# Altium PCB AMP.PcbDoc (part 4 of 5)
Units mil, origin at the board's own origin, x right, y up, seen from the top; angles counter-clockwise.
Board outline 6850 x 4750 mil, 6 copper layers (Top Layer, InternalPlane1, MidLayer1, InternalPlane2, InternalPlane3, Bottom Layer); 484 components, 340 nets, 1840 pads, 888 vias.
Unrouted connection lines stored in the file: 22.
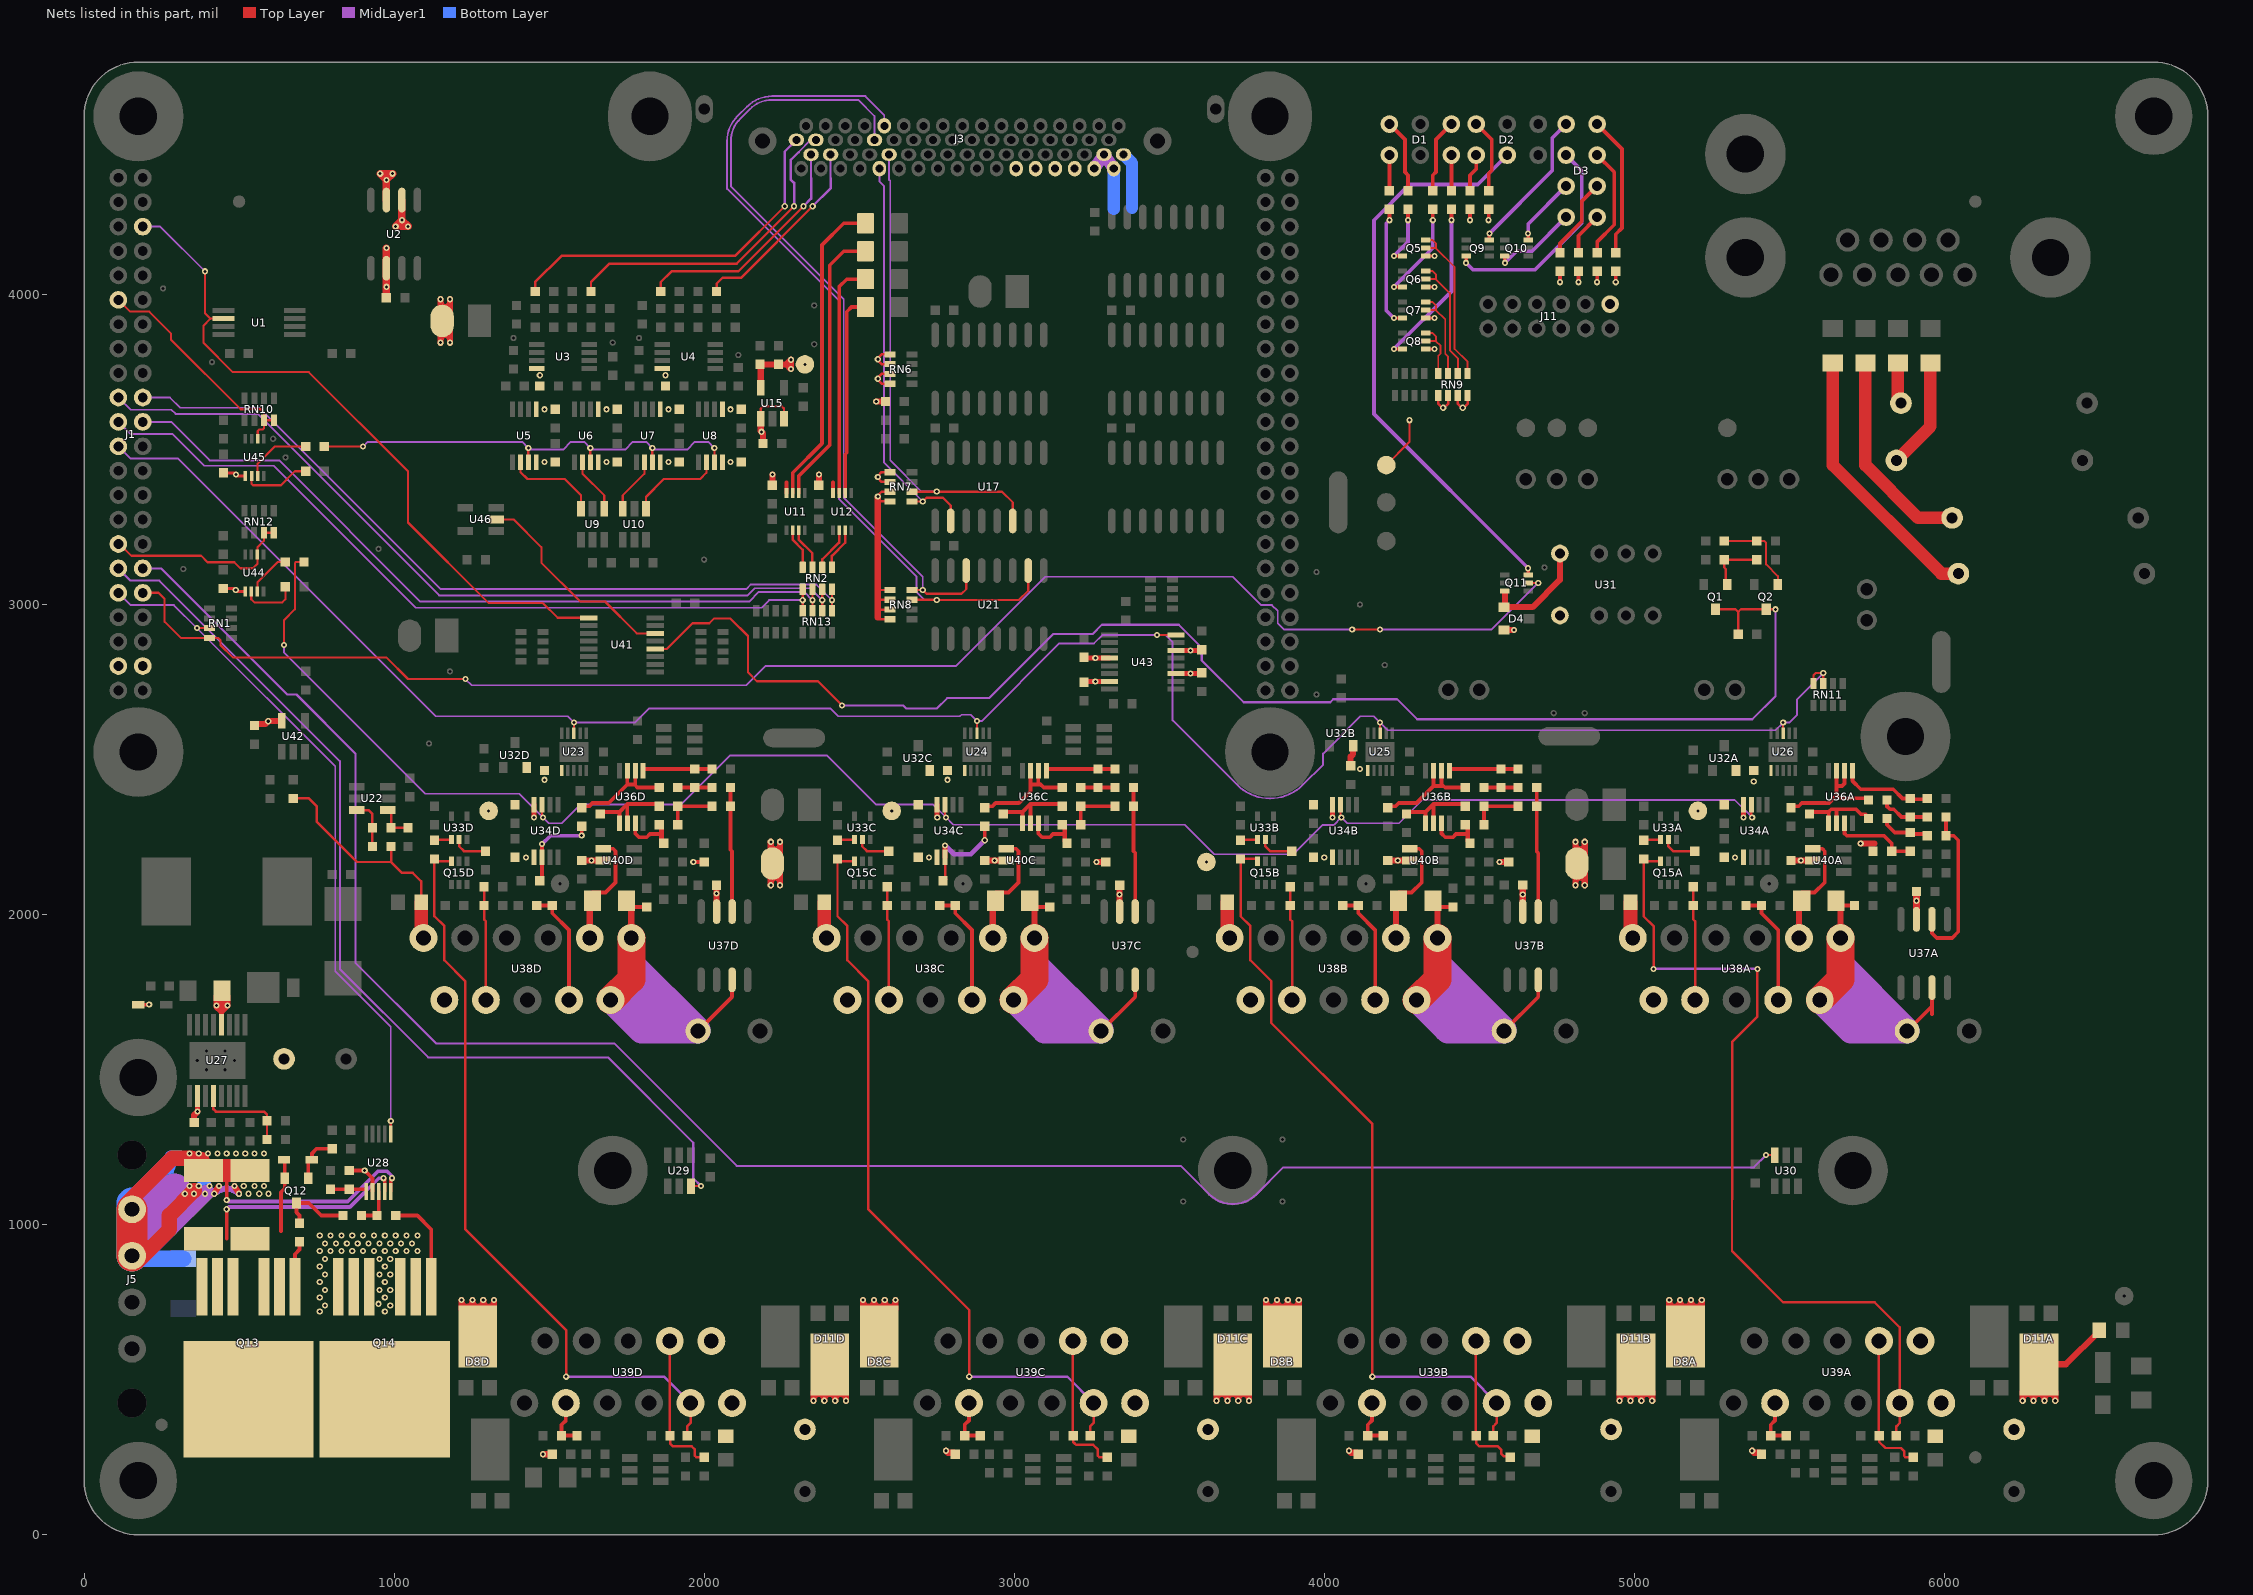
[diagram p8: the nets of this part, all layers, seen from the top]

## Via types
v1: diameter 20, hole 10, Top Layer to Bottom Layer, tented both sides, 888 vias

## Nets (pads, with @x,y where several pads share a name; then routed paths per layer and width w, separated by ;. In a path a pad name is that pad's centre, name@x,y a point inside that pad or via, vN(x,y) a via of type N, cw(c..) or ccw(c..) an arc to the next point about the centre after c; other vN are vias at no path point) (continued)
NetC66C_1: C66C.1 R56C.2 U34C.2 | length 314.4
  Top Layer w8: C66C.1@2775,2115 C66C.1@2780,2115 ; C66C.1@2777.2,2117.2 U34C.2@2777.2,2185
  Top Layer w12: v1(2905,2240) R56C.2@2905,2285
  Top Layer w16: U34C.2@2777.2,2185 v1(2777.2,2223.39)
  MidLayer1 w16: v1(2777.2,2223.39) 2805.59,2195 2860,2195 v1(2905,2240)
NetC66D_1: C66D.1 R56D.2 U34D.2 | length 279.7
  Top Layer w12: C66D.1@1477.2,2117.2 U34D.2@1477.2,2185 v1(1477.2,2227.8) ; v1(1605,2255) R56D.2@1605,2285
  MidLayer1 w12: v1(1477.2,2227.8) 1504.41,2255 v1(1605,2255)
NetC68A_1: C68A.1 Q15A.6 R40A.1 U39A.9 | length 2690.5
  Top Layer w8: v1(5062,1825) 5062,1963 5030,1995 5030,2172.5 Q15A.6@5084.41,2172.5 ; v1(5397,1825) 5397,1672 5315.09,1590.09 5315.09,1245 5315,915 5480,750 5775,750 5856,669 U39A.9@5856,425 5856,361 5845,350 C68A.1@5845,320
  MidLayer1 w8: v1(5062,1825) v1(5397,1825)
NetC68B_1: C68B.1 Q15B.6 R40B.1 U39B.9 | length 2469.5
  Top Layer w8: Q15B.6@3784.41,2172.5 3784.41,2176 3780.41,2180 R40B.1@3730,2180 ; v1(4155,510) 4155,1325 3829,1651 3829,1786 3762,1853 3762,1963 3730,1995 R40B.1@3730,2172.5 ; C68B.1@4545,320 4545,350 4556,361 U39B.9@4556,425 ; R40B.1@3730,2172.5 3737.5,2172.5 R40B.1@3730,2180 ; R40B.1@3730,2172.5 R40B.1@3730,2180
  MidLayer1 w8: v1(4155,510) 4471,510 U39B.9@4556,425
NetC68C_1: C68C.1 Q15C.6 R40C.1 U39C.9 | length 2449.3
  Top Layer w8: R40C.1@2430,2180 R40C.1@2437.5,2172.5 ; Q15C.6@2484.41,2172.5 R40C.1@2437.5,2172.5 ; v1(2855,510) 2855,725 2529,1051 2529,1786 2462,1853 2462,1963 2430,1995 2430,2172.5 R40C.1@2437.5,2172.5 ; C68C.1@3245,320 3245,350 3256,361 U39C.9@3256,425
  MidLayer1 w8: v1(2855,510) 3171,510 U39C.9@3256,425
NetC68D_1: C68D.1 Q15D.6 R40D.1 U39D.9 | length 2449.3
  Top Layer w8: R40D.1@1130,2180 R40D.1@1137.5,2172.5 ; Q15D.6@1184.41,2172.5 R40D.1@1137.5,2172.5 ; v1(1555,510) 1555,660 1229,986 1229,1786 1162,1853 1162,1963 1130,1995 1130,2172.5 R40D.1@1137.5,2172.5 ; C68D.1@1945,320 1945,350 1956,361 U39D.9@1956,425
  MidLayer1 w8: v1(1555,510) 1871,510 U39D.9@1956,425
NetC70A_1: C70A.1 R61A.1 U38A.8 | length 367.5
  Top Layer w8: R61A.1@5190,2090 C70A.1@5190,2030 5190,1985 5196,1979 U38A.8@5196,1725
NetC70B_1: C70B.1 R61B.1 U38B.8 | length 367.5
  Top Layer w8: R61B.1@3890,2090 C70B.1@3890,2030 3890,1985 3896,1979 U38B.8@3896,1725
NetC70C_1: C70C.1 R61C.1 U38C.8 | length 367.5
  Top Layer w8: R61C.1@2590,2090 C70C.1@2590,2030 2590,1985 2596,1979 U38C.8@2596,1725
NetC70D_1: C70D.1 R61D.1 U38D.8 | length 367.5
  Top Layer w8: R61D.1@1290,2090 C70D.1@1290,2030 1290,1985 1296,1979 U38D.8@1296,1725
NetC71A_1: C71A.1 R48A.1 U39A.8 | length 464.5
  Top Layer w8: C71A.1@5789,320 U39A.8@5789,625 ; C71A.1@5790,320 5790,300 5810,280 5860,280 5870,270 5870,255 5875,250 R48A.1@5900,250
NetC71B_1: C71B.1 R48B.1 U39B.8 | length 466.1
  Top Layer w8: C71B.1@4489,320 U39B.8@4489,625 ; C71B.1@4490,320 4490,295 4495,290 4495,289.69 4499.69,285 4560,285 4570,275 4570,262.5 4579.34,253.16 4596.84,253.16 R48B.1@4600,250
NetC71C_1: C71C.1 R48C.1 U39C.8 | length 468.6
  Top Layer w7: C71C.1@3189,320 C71C.1@3190,320
  Top Layer w8: C71C.1@3189,320 U39C.8@3189,625 ; C71C.1@3190,320 3190,299.69 3194.69,295 3195,295 3200,290 3255,290 3270,275 3270,255 3275,250 R48C.1@3300,250
NetC71D_1: C71D.1 R48D.1 U39D.8 | length 477.9
  Top Layer w8: C71D.1@1889,320 U39D.8@1889,625 ; C71D.1@1890,320 1890,295 1900,285 1960,285 1970,275 1970,255 1975,250 1975,249.69 1999.69,249.69 R48D.1@2000,250 R48D.1@2005,255
NetC72A_2: C72A.2 R54A.2 U36A.3 | length 283.3
  Top Layer w12: U36A.3@5677.8,2295 5677.8,2262.2 5685,2255 5805,2255 5830,2230 C72A.2@5830,2205 R54A.2@5890,2205
NetC72B_2: C72B.2 R54B.2 U36B.3 | length 189.8
  Top Layer w12: U36B.3@4377.8,2295 4377.8,2262.2 4390,2250 4415,2250 4425,2260 4462.5,2260
  Top Layer w15: R54B.2@4462.5,2290 4462.5,2260 4462.5,2237.5 C72B.2@4470,2230
NetC72C_2: C72C.2 R54C.2 U36C.3 | length 189.8
  Top Layer w12: U36C.3@3077.8,2295 3077.8,2262.2 3090,2250 3115,2250 3125,2260 3162.5,2260
  Top Layer w15: R54C.2@3162.5,2290 3162.5,2260 3162.5,2237.5 C72C.2@3170,2230
NetC72D_2: C72D.2 R54D.2 U36D.3 | length 189.8
  Top Layer w12: U36D.3@1777.8,2295 1777.8,2262.2 1790,2250 1815,2250 1825,2260 1862.5,2260
  Top Layer w15: R54D.2@1862.5,2290 1862.5,2260 1862.5,2237.5 C72D.2@1870,2230
NetC74A_1: C74A.1 U38A.3 U40A.4 | length 381.9
  Top Layer w7: C74A.1@5525,2055 C74A.1@5530,2050
  Top Layer w12: C74A.1@5530,2050 C74A.1@5550,2070 ; C74A.1@5540,2071.5 5581.5,2071.5 5614,2104 5614,2205 5606.5,2212.5 U40A.4@5575,2212.5
  Top Layer w20: U38A.3@5531,1925 C74A.1@5531,2041
NetC74A_2: C74A.2 R47A.2 R62A.2 U37A.3 U38A.1 U38A.2 | length 1630.1
  Top Layer w12: C74A.2@5666,2030 R47A.2@5710,2030 ; R62A.2@5880,1625 5960,1705 ; 5960,1680 U37A.3@5960,1765
  Top Layer w20: U38A.1@5665,1925 5665,2041 C74A.2@5666,2040
  Top Layer w90: U38A.2@5598,1725 5665,1792 U38A.1@5665,1925
  MidLayer1 w80: U38A.1@5665,1925 5665,1842.5 ; 5670,1745 5760,1655 ; 5698,1625 R62A.2@5880,1625 ; 5699,1726.8 5744.9,1680.9 ; 5700,1630 5693,1630 U38A.2@5598,1725 5665,1792 5665,1842.5 ; R62A.2@5875,1630 5875,1632.5 5665,1842.5
NetC74B_1: C74B.1 U38B.3 U40B.4 | length 381.9
  Top Layer w7: C74B.1@4225,2055 C74B.1@4230,2050
  Top Layer w12: C74B.1@4230,2050 C74B.1@4250,2070 ; C74B.1@4240,2071.5 4281.5,2071.5 4314,2104 4314,2205 4306.5,2212.5 U40B.4@4275,2212.5
  Top Layer w20: U38B.3@4231,1925 C74B.1@4231,2041
NetC74B_2: C74B.2 R47B.2 R62B.2 U37B.3 U38B.1 U38B.2 | length 1625.3
  Top Layer w12: U38B.1@4350,1940 U38B.1@4365,1925 ; C74B.2@4350,2045 4370,2025 R47B.2@4415,2025 ; R62B.2@4580,1625 4690,1735 U37B.3@4690,1790
  Top Layer w20: U38B.1@4365,1925 C74B.2@4365,2030
  Top Layer w90: U38B.2@4298,1725 4365,1792 U38B.1@4365,1925
  MidLayer1 w80: U38B.1@4365,1925 4365,1845 ; 4370,1745 4460,1655 ; 4398,1625 R62B.2@4580,1625 4580,1630 4365,1845 ; 4400,1630 4393,1630 U38B.2@4298,1725 4365,1792 4365,1845
NetC74C_1: C74C.1 U38C.3 U40C.4 | length 346.6
  Top Layer w12: C74C.1@2940,2071.5 2981.5,2071.5 3014,2104 3014,2205 3006.5,2212.5 U40C.4@2975,2212.5
  Top Layer w20: U38C.3@2931,1925 C74C.1@2931,2041
NetC74C_2: C74C.2 R47C.2 R62C.2 U37C.3 U38C.1 U38C.2 | length 1630
  Top Layer w7: C74C.2@3050,2030 C74C.2@3055,2025
  Top Layer w12: U38C.1@3050.08,1939.92 U38C.1@3065,1925 ; C74C.2@3055,2025 R47C.2@3115,2025 ; R62C.2@3280,1625 3390,1735 U37C.3@3390,1790
  Top Layer w20: U38C.1@3065,1925 C74C.2@3065,2041
  Top Layer w90: U38C.2@2998,1725 3065,1792 U38C.1@3065,1925
  MidLayer1 w80: U38C.1@3065,1925 3065,1845 ; 3070,1745 3160,1655 ; 3065,1845 3065,1792 U38C.2@2998,1725 3098,1625 R62C.2@3280,1625 3280,1630 3065,1845
NetC74D_1: C74D.1 U38D.3 U40D.4 | length 346.6
  Top Layer w12: C74D.1@1640,2071.5 1681.5,2071.5 1714,2104 1714,2205 1706.5,2212.5 U40D.4@1675,2212.5
  Top Layer w20: U38D.3@1631,1925 C74D.1@1631,2041
NetC74D_2: C74D.2 R47D.2 R62D.2 U37D.3 U38D.1 U38D.2 | length 1599
  Top Layer w12: C74D.2@1750,2045 1765,2030 1770,2025 R47D.2@1815,2025 ; R62D.2@1980,1625 2090,1735 U37D.3@2090,1790
  Top Layer w20: U38D.1@1765,1925 C74D.2@1765,2030
  Top Layer w90: U38D.2@1698,1725 1765,1792 U38D.1@1765,1925
  MidLayer1 w80: U38D.1@1765,1925 1765,1845 ; 1770,1745 1860,1655 ; 1798,1625 R62D.2@1980,1625 ; 1800,1630 1793,1630 U38D.2@1698,1725 1765,1792 1765,1845 ; R62D.2@1980,1630 1765,1845
NetC75A_1: C75A.1 R54A.1 R55A.2 | length 176.6
  Top Layer w12: C75A.1@5820,2310 5815,2315 5815,2290 5840,2265 R54A.1@5890,2265 5895,2260 5940,2260 R55A.2@5945,2255
NetC75A_2: C75A.2 R44A.1 U36A.1 U36A.2 | length 282
  Top Layer w12: R44A.1@5571.61,2331.61 5626.61,2331.61 ; U36A.1@5626.61,2295 5626.61,2331.61 ; U36A.2@5654.2,2297 U36A.2@5652.2,2295 5652.2,2339.2 5653,2340 ; C75A.2@5755,2315 5746,2324 5731,2324 5715,2340 5653,2340 ; 5626.61,2331.61 5635,2340 5653,2340
NetC75B_1: C75B.1 R54B.1 R55B.2 | length 170
  Top Layer w12: R54B.1@4515,2290 C75B.1@4515,2350 R55B.2@4625,2350
NetC75B_2: C75B.2 R44B.1 U36B.1 U36B.2 | length 299.4
  Top Layer w12: R44B.1@4271.61,2331.61 4326.61,2331.61 ; U36B.1@4326.61,2295 4326.61,2331.61 ; U36B.2@4352.2,2295 4352.2,2357 ; C75B.2@4452,2357 C75B.2@4448,2357 ; C75B.2@4455,2350 C75B.2@4448,2357 ; 4326.61,2331.61 4352,2357 C75B.2@4448,2357
NetC75C_1: C75C.1 R54C.1 R55C.2 | length 170
  Top Layer w12: R54C.1@3215,2290 C75C.1@3215,2350 R55C.2@3325,2350
NetC75C_2: C75C.2 R44C.1 U36C.1 U36C.2 | length 301.7
  Top Layer w12: R44C.1@2965,2325 2971.61,2331.61 3026.61,2331.61 ; U36C.1@3026.61,2295 3026.61,2331.61 ; 3052.2,2357 U36C.2@3052.2,2295 U36C.2@3053,2295.8 ; C75C.2@3148,2357 3052,2357 3026.61,2331.61 ; C75C.2@3151,2354 C75C.2@3155,2350
NetC75D_1: C75D.1 R54D.1 R55D.2 | length 170
  Top Layer w12: R54D.1@1915,2290 C75D.1@1915,2350 R55D.2@2025,2350
NetC75D_2: C75D.2 R44D.1 U36D.1 U36D.2 | length 292.6
  Top Layer w12: R44D.1@1671.61,2331.61 1726.61,2331.61 ; U36D.1@1726.61,2295 1726.61,2331.61 ; U36D.2@1752.2,2295 1752.2,2357 ; C75D.2@1848,2357 1752,2357 1726.61,2331.61 ; C75D.2@1850,2355 C75D.2@1855,2350
NetC86A_2: C86A.2 R63A.1 | length 880
  Top Layer w40: C86A.2@5640,3780 5640,3450 5990,3100 R63A.1@6045,3100
NetC86B_2: C86B.2 R63B.1 | length 680.4
  Top Layer w40: C86B.2@5745,3780 5745,3450 5915,3280 R63B.1@6025,3280
NetC86C_2: C86C.2 R63C.1 | length 151.2
  Top Layer w40: R63C.1@5850,3650 R63C.1@5850,3665 ; C86C.2@5850,3780 R63C.1@5850,3665 ; R63C.1@5865,3650 R63C.1@5850,3665
NetC86D_2: C86D.2 R63D.1 | length 360.6
  Top Layer w40: R63D.1@5845,3465 5955,3575 C86D.2@5955,3780
NetC89A_1: C89A.1 R45A.2 R46A.1 | length 165.5
  Top Layer w12: 5815,2348.99 C89A.1@5815,2370 ; 5815,2350 5825,2340 5836.49,2340 5861.49,2315 R46A.1@5890,2315 R45A.2@5945,2315
NetC89A_2: C89A.2 R56A.1 U36A.6 U36A.7 | length 414.3
  Top Layer w12: R56A.1@5510,2350 5530,2350 5540,2360 5627.5,2360 5652.2,2384.7 ; U36A.7@5652.2,2465 5652.2,2415 ; U36A.6@5677.8,2465 5677.8,2422.8 5670,2415 5652.2,2415 ; C89A.2@5755,2376.01 5660.89,2376.01 5652.2,2384.7 ; 5652.2,2384.7 5652.2,2415
NetC89B_1: C89B.1 R45B.2 R46B.1 | length 110
  Top Layer w12: C89B.1@4515,2410 R46B.1@4570,2410 R45B.2@4625,2410
NetC89B_2: C89B.2 R56B.1 U36B.6 U36B.7 | length 376.3
  Top Layer w12: R56B.1@4210,2350 4230,2350 4240,2360 4297.2,2360 4352.2,2415 ; U36B.7@4352.2,2465 4352.2,2415 ; U36B.6@4377.8,2465 4377.8,2422.2 4383.9,2416.1 ; C89B.2@4455,2410 4390,2410 4383.9,2416.1 ; 4352.2,2415 4382.8,2415 4383.9,2416.1
NetC89C_1: C89C.1 R45C.2 R46C.1 | length 110
  Top Layer w12: C89C.1@3215,2410 R46C.1@3270,2410 R45C.2@3325,2410
NetC89C_2: C89C.2 R56C.1 U36C.6 U36C.7 | length 391.5
  Top Layer w12: R56C.1@2905,2345 2910,2350 2930,2350 2940,2360 3015,2360 3052.2,2397.2 3052.2,2420 ; U36C.7@3052.2,2465 3052.2,2420 ; U36C.6@3077.8,2465 3077.8,2427.2 3085,2420 ; C89C.2@3155,2410 3095,2410 3085,2420 ; 3052.2,2420 3085,2420
NetC89D_1: C89D.1 R45D.2 R46D.1 | length 110
  Top Layer w12: C89D.1@1915,2410 R46D.1@1970,2410 R45D.2@2025,2410
NetC89D_2: C89D.2 R56D.1 U36D.6 U36D.7 | length 370.9
  Top Layer w12: R56D.1@1610,2350 1630,2350 1640,2360 1692.2,2360 1752.2,2420 ; U36D.7@1752.2,2465 1752.2,2420 ; U36D.6@1777.8,2465 1777.8,2417.2 ; C89D.2@1855,2410 1785,2410 1777.8,2417.2 ; 1752.2,2420 1775,2420 1777.8,2417.2
NetC90A_2: C90A.2 R46A.2 U36A.5 | length 297
  Top Layer w12: U36A.5@5703.39,2465 5703.39,2431.61 5730,2405 5835,2405 5865,2375 R46A.2@5890,2375 5892.5,2372.5 C90A.2@5942.5,2372.5
NetC90B_2: C90B.2 R46B.2 U36B.5 | length 225.4
  Top Layer w12: U36B.5@4403.39,2465 4403.39,2468 4405.39,2470 R46B.2@4570,2470 C90B.2@4625,2470
NetC90C_2: C90C.2 R46C.2 U36C.5 | length 225.4
  Top Layer w12: U36C.5@3103.39,2465 3103.39,2468 3105.39,2470 R46C.2@3270,2470 C90C.2@3325,2470
NetC90D_2: C90D.2 R46D.2 U36D.5 | length 216.6
  Top Layer w12: U36D.5@1808.39,2470 R46D.2@1970,2470 C90D.2@2025,2470
NetD1_1: D1.1 R15.2 | length 239.9
  Top Layer w12: R15.2@4350,4335 4350,4385 4360,4395 4360,4500 D1.1@4410,4550
NetD1_3: D1.3 R14.2 | length 239.9
  Top Layer w12: D1.3@4210,4550 4260,4500 4260,4395 4270,4385 R14.2@4270,4335
NetD1_4: D1.4 R16.2 | length 115
  Top Layer w12: R16.2@4410,4335 D1.4@4410,4450
NetD1_6: D1.6 R13.2 | length 115
  Top Layer w12: R13.2@4210,4335 D1.6@4210,4450
NetD2_3: D2.3 R18.1 | length 239.9
  Top Layer w12: D2.3@4490,4550 4540,4500 4540,4400 4530,4390 R18.1@4530,4335
NetD2_5: D2.5 Q11.6 | length 1867.5
  Top Layer w12: Q11.6@4657.5,3095.59 v1(4657.5,3117.5)
  MidLayer1 w12: D2.5@4590,4450 4495,4355 4275,4355 4160,4240 4160,3615 v1(4657.5,3117.5)
NetD2_6: D2.6 R17.1 | length 123.3
  Top Layer w12: R17.1@4470,4335 4470,4385 4490,4405 D2.6@4490,4450
NetD3_1: D3.1 Q9.6 | length 476.9
  Top Layer w12: Q9.6@4532.5,4175.59 v1(4532.5,4197.5)
  MidLayer1 w12: v1(4532.5,4197.5) 4735,4400 4735,4505 D3.1@4780,4550
NetD3_2: D3.2 R22.1 | length 456.4
  Top Layer w12: D3.2@4880,4550 4960,4470 4960,4215 4940,4195 R22.1@4940,4135
NetD3_3: D3.3 Q9.3 | length 706.6
  Top Layer w12: v1(4457.5,4102.5) Q9.3@4457.5,4124.41
  MidLayer1 w12: v1(4457.5,4102.5) 4480,4080 4680,4080 4830,4230 4830,4400 D3.3@4780,4450
NetD3_4: D3.4 R21.1 | length 360.6
  Top Layer w12: R21.1@4880,4135 4880,4170 4935,4225 4935,4395 D3.4@4880,4450
NetD3_5: D3.5 Q10.6 | length 225.2
  Top Layer w12: Q10.6@4657.5,4175.59 v1(4657.5,4197.5)
  MidLayer1 w12: v1(4657.5,4197.5) 4657.5,4227.5 D3.5@4780,4350
NetD3_6: D3.6 R19.1 | length 264.7
  Top Layer w12: R19.1@4760,4135 4760,4165 4830,4235 4830,4300 D3.6@4880,4350
NetD3_7: D3.7 Q10.3 | length 280.5
  Top Layer w12: v1(4582.5,4102.5) Q10.3@4582.5,4124.41
  MidLayer1 w12: v1(4582.5,4102.5) 4620,4140 4670,4140 D3.7@4780,4250
NetD3_8: D3.8 R20.1 | length 139.9
  Top Layer w12: R20.1@4820,4135 4820,4190 D3.8@4880,4250
NetD4_1: D4.1 Q11.3 U31.8 | length 348.9
  Top Layer w20: D4.1@4580,2992 D4.1@4582.5,2992 ; Q11.3@4582.5,3039.41 D4.1@4582.5,2992 ; U31.8@4760,3165 4760,3080 4672,2992 D4.1@4582.5,2992
NetD6_1: D6.1 Q12.1 R32.1 | length 144.2
  Top Layer w12: Q12.1@723,1150 D6.1@723,1203 ; D6.1@735,1210 735,1230 750,1245 R32.1@800,1245
NetD6_2: D6.2 Q12.2 Q13.2 Q13.3 Q13.5 Q13.6 Q13.7 R38.2 R39.2 U28.4 | length 917.9
  Top Layer w11.5: U28.4@969.69,1107.5 v1@969.69,1150.31
  Top Layer w12: 460,955 v1(460,1050) ; 635,980 635,1105 647,1117 Q12.2@647,1150 D6.2@647,1208
  MidLayer1 w12: v1(460,1050) 467.25,1057.25 857.35,1057.25 950.42,1150.31 v1(965.56,1150.31)
NetQ5_3: Q5.3 R14.1 | length 197.6
  Top Layer w10: v1(4224.41,4124.41) Q5.3@4252.5,4124.41
  Top Layer w12: v1(4270,4240) R14.1@4270,4275
  MidLayer1 w12: v1(4224.41,4124.41) 4270,4170 v1(4270,4240)
NetQ5_5: Q5.5 Q5.6 RN9.5 | length 531.2
  Top Layer w6: Q5.5@4327.5,4150 4360,4150 ; Q5.6@4327.5,4175.59 4349.41,4175.59 4360,4165 4360,4150 ; RN9.5@4462.24,3745.5 4462.24,3782.76 4420,3825 4420,4090 4360,4150
NetQ6_3: Q6.3 R15.1 | length 330.7
  Top Layer w10: v1(4224.41,4024.41) Q6.3@4252.5,4024.41
  Top Layer w12: v1(4350,4240) R15.1@4350,4275
  MidLayer1 w12: v1(4224.41,4024.41) 4350,4150 v1(4350,4240)
NetQ6_5: Q6.5 Q6.6 RN9.6 | length 418.2
  Top Layer w6: Q6.5@4327.5,4050 4360,4050 ; Q6.6@4327.5,4075.59 4349.41,4075.59 4360,4065 4360,4050 ; RN9.6@4430.75,3745.5 4430.75,3794.25 4405,3820 4405,4005 4360,4050
NetQ7_3: Q7.3 R13.1 | length 392.9
  Top Layer w10: v1(4224.41,3924.41) Q7.3@4252.5,3924.41
  Top Layer w12: v1(4210,4240) R13.1@4210,4275
  MidLayer1 w12: v1(4210,4240) 4200,4230 4200,3948.82 v1(4224.41,3924.41)
NetQ7_5: Q7.5 Q7.6 RN9.7 | length 305.1
  Top Layer w6: Q7.5@4327.5,3950 4360,3950 ; Q7.6@4327.5,3975.59 4349.41,3975.59 4360,3965 4360,3950 ; RN9.7@4399.25,3745.5 4399.25,3800 4390,3809.25 4390,3920 4360,3950
NetQ8_3: Q8.3 R16.1 | length 555.6
  Top Layer w10: v1(4224.41,3824.41) Q8.3@4252.5,3824.41
  Top Layer w12: v1(4410,4240) R16.1@4410,4275
  MidLayer1 w12: v1(4224.41,3824.41) 4410,4010 v1(4410,4240)
NetQ8_5: Q8.5 Q8.6 RN9.8 | length 198.1
  Top Layer w6: Q8.5@4327.5,3850 4360,3850 ; Q8.6@4327.5,3875.59 4349.41,3875.59 4360,3865 4360,3850 ; RN9.8@4367.76,3745.5 4367.76,3802.76 4375,3810 4375,3835 4360,3850
NetQ12_3: Q12.3 R35.2 R36.1 | length 235.7
  Top Layer w12: R36.1@695,1005 695,1030 685,1040 Q12.3@685,1070 725,1070 765,1030 R35.2@835,1030
NetQ13_1: Q13.1 R36.2 | length 151.2
  Top Layer w12: Q13.1@680,800 680,905 695,920 R36.2@695,945
NetQ13_4: Q13.4 Q14.4
NetQ14_1: Q14.1 R37.2 | length 328.6
  Top Layer w12: R37.2@1005,1030 1075,1030 1120,985 Q14.1@1120,800 Q14.1@1120,790
NetR25_1: R25.1 R28.2 U22.4 | length 110
  Top Layer w8: U22.4@990,2335 R28.2@990,2280 R25.1@1045,2280
NetR26_1: R26.1 R31.2 U27.12 | length 302.4
  Top Layer w8: U27.12@417.2,1415 417.2,1372.8 425,1365 580,1365 590,1355 R31.2@590,1335 R26.1@590,1275
NetR27_2: R27.2 R28.1 U22.3 | length 160.2
  Top Layer w8: U22.3@880,2337.5 917.5,2337.5 930,2325 R28.1@930,2280 R27.2@930,2220
NetR33_1: R33.1 R34.2 U28.1 | length 115
  Top Layer w12: R33.1@795,1115 R34.2@855,1115 U28.1@910,1115
NetR35_1: R35.1 R37.1 U28.3 | length 122.5
  Top Layer w12: R35.1@895,1030 R37.1@945,1030 ; R37.1@950,1035 U28.3@950,1107.5
NetR40A_2: R40A.2 U33A.1 | length 55.4
  Top Layer w8: R40A.2@5030,2240 5032.5,2242.5 U33A.1@5084.41,2242.5
NetR40B_2: R40B.2 U33B.1 | length 55.4
  Top Layer w8: R40B.2@3730,2240 3732.5,2242.5 U33B.1@3784.41,2242.5
NetR40C_2: R40C.2 U33C.1 | length 55.4
  Top Layer w8: R40C.2@2430,2240 2432.5,2242.5 U33C.1@2484.41,2242.5
NetR40D_2: R40D.2 U33D.1 | length 55.4
  Top Layer w8: R40D.2@1130,2240 1132.5,2242.5 U33D.1@1184.41,2242.5
NetR41A_2: R41A.2 U33A.2 | length 113.7
  Top Layer w8: U33A.2@5110,2242.5 5110,2220 5125,2205 R41A.2@5195,2205
NetR41B_2: R41B.2 U33B.2 | length 113.7
  Top Layer w8: U33B.2@3810,2242.5 3810,2220 3825,2205 R41B.2@3895,2205
NetR41C_2: R41C.2 U33C.2 | length 113.7
  Top Layer w8: U33C.2@2510,2242.5 2510,2220 2525,2205 R41C.2@2595,2205
NetR41D_2: R41D.2 U33D.2 | length 113.7
  Top Layer w8: U33D.2@1210,2242.5 1210,2220 1225,2205 R41D.2@1295,2205